# KiCad board proteus.kicad_pcb (continued)
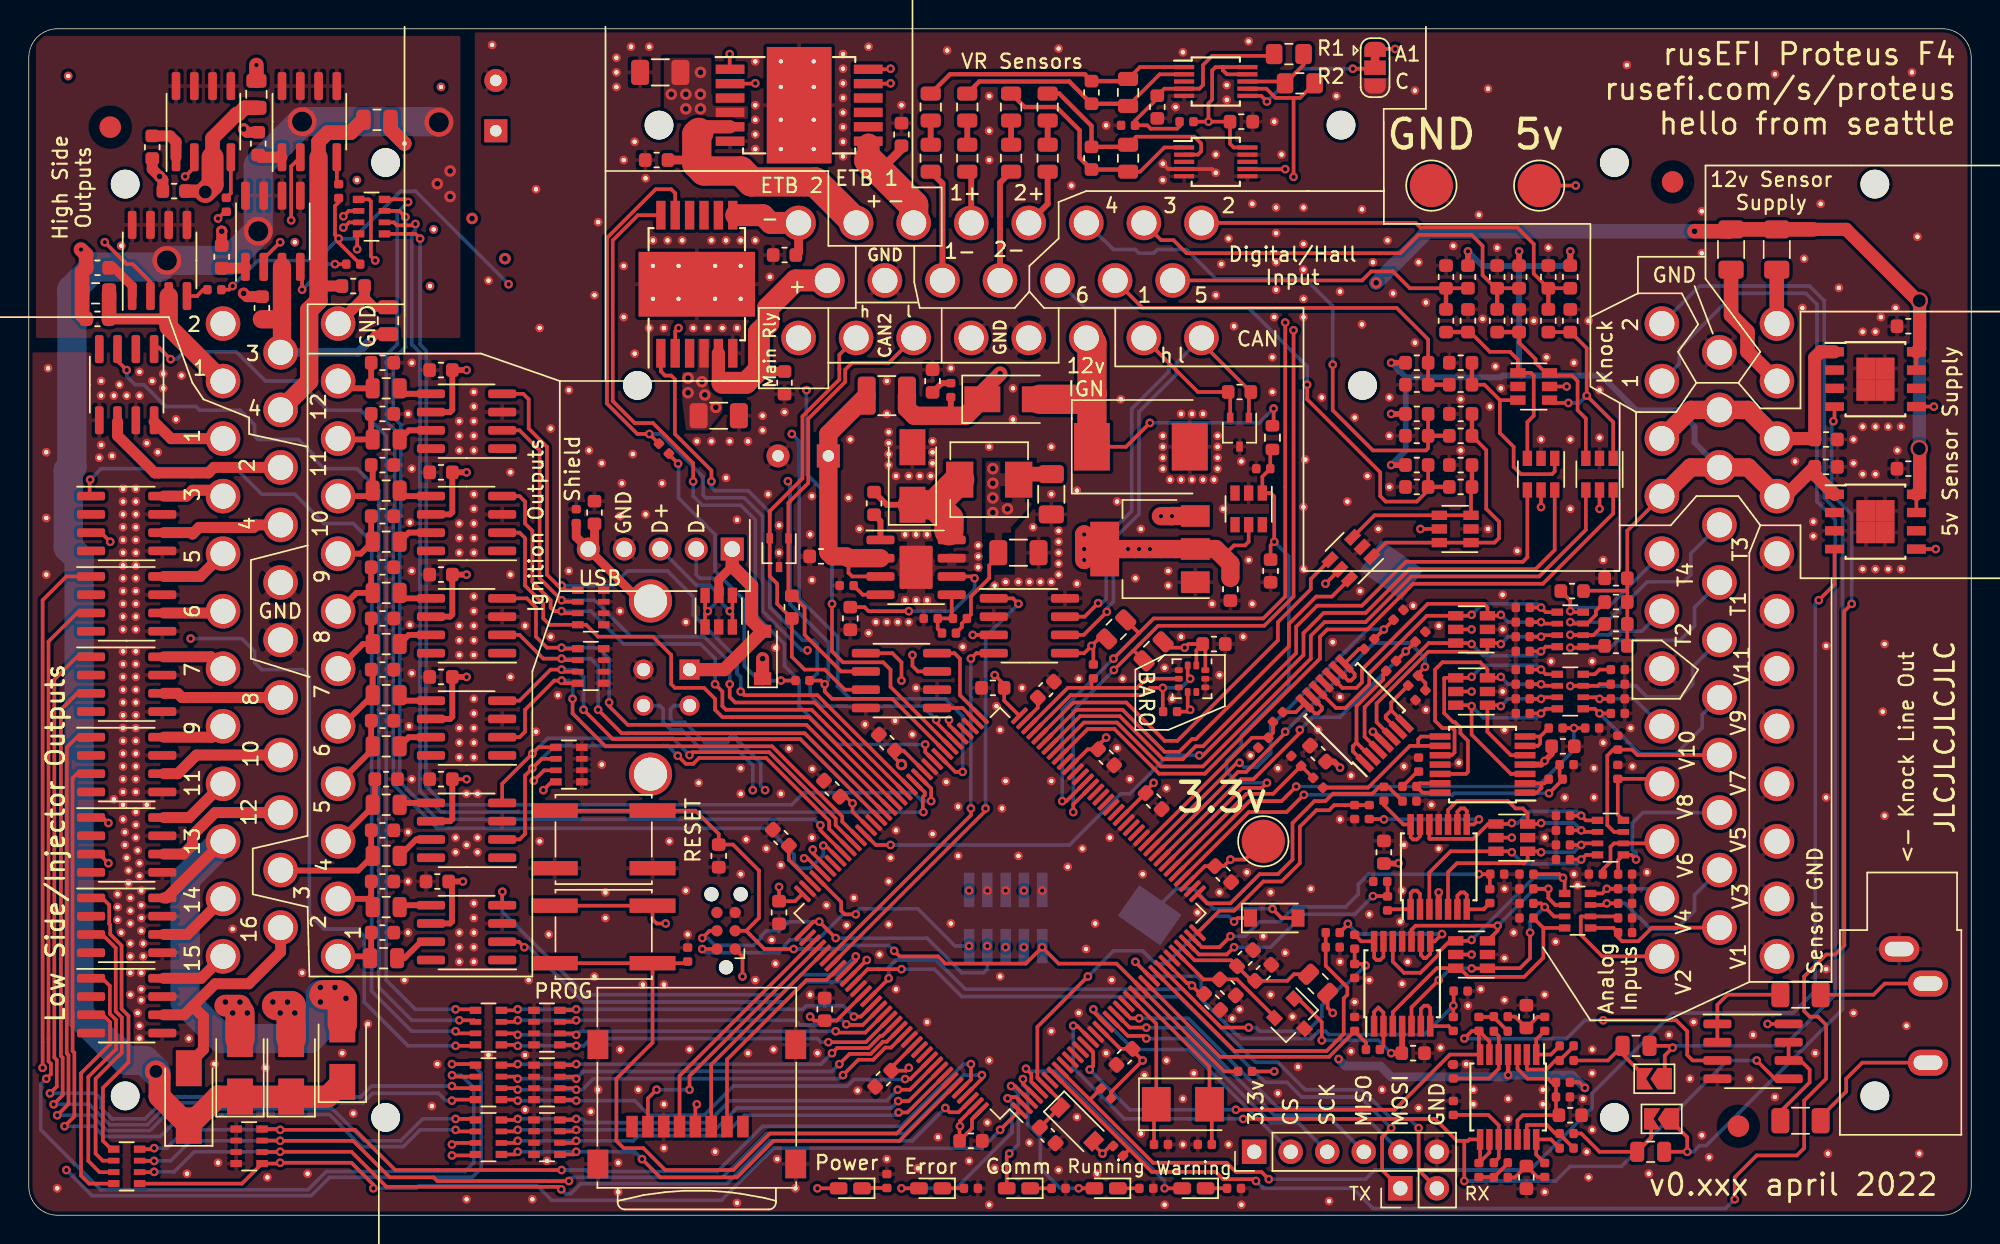
[diagram p0: board, top side]
## Placement (name value [footprint] x y rotation side) (continued)
NOREF#269  -  [unnamed]  80.84 51.15 0 top
NOREF#270  -  [unnamed]  81.61 51.15 0 top
NOREF#271  -  [unnamed]  82.37 51.15 0 top
NOREF#272  -  [unnamed]  80.08 55.72 0 top
NOREF#273  -  [unnamed]  80.84 55.72 0 top
NOREF#274  -  [unnamed]  81.61 55.72 0 top
NOREF#275  -  [unnamed]  82.62 53.43 0 top
NOREF#276  -  [unnamed]  82.62 54.2 0 top
NOREF#277  -  [unnamed]  82.62 52.67 0 top
NOREF#278  -  [unnamed]  82.62 51.91 0 top
NOREF#279  -  [unnamed]  79.19 43.78 0 top
NOREF#280  -  [unnamed]  82.24 42.51 0 top
NOREF#281  -  [unnamed]  76.91 44.29 0 top
NOREF#282  -  [unnamed]  80.08 40.23 0 top
NOREF#283  -  [unnamed]  36.14 19.52 0 top
NOREF#284  -  [unnamed]  61.67 42.77 0 top
NOREF#285  -  [unnamed]  62.43 42.77 0 top
NOREF#286  -  [unnamed]  60.91 47.34 0 top
NOREF#287  -  [unnamed]  61.67 47.34 0 top
NOREF#288  -  [unnamed]  65.99 46.58 0 top
NOREF#289  -  [unnamed]  65.99 45.81 0 top
NOREF#290  -  [unnamed]  65.99 45.05 0 top
NOREF#291  -  [unnamed]  68.78 44.04 0 top
NOREF#292  -  [unnamed]  61.67 36.67 0 top
NOREF#293  -  [unnamed]  58.37 40.48 0 top
NOREF#294  -  [unnamed]  67.26 35.4 0 top
NOREF#295  -  [unnamed]  69.8 47.85 0 top
NOREF#296  -  [unnamed]  71.57 47.59 0 top
NOREF#297  -  [unnamed]  71.57 46.83 0 top
NOREF#298  -  [unnamed]  71.57 46.07 0 top
NOREF#299  -  [unnamed]  71.57 45.31 0 top
NOREF#300  -  [unnamed]  71.57 44.54 0 top
NOREF#301  -  [unnamed]  69.54 44.04 0 top
NOREF#302  -  [unnamed]  70.3 44.04 0 top
NOREF#303  -  [unnamed]  71.07 44.04 0 top
NOREF#304  -  [unnamed]  61.16 41.24 0 top
NOREF#305  -  [unnamed]  60.4 41.24 0 top
NOREF#306  -  [unnamed]  59.64 41.24 0 top
NOREF#307  -  [unnamed]  58.87 41.24 0 top
NOREF#308  -  [unnamed]  7.69 13.18 0 top
NOREF#309  -  [unnamed]  1.22 48.48 0 top
NOREF#310  -  [unnamed]  6.42 67.4 0 top
NOREF#311  -  [unnamed]  2.74 79.22 0 top
NOREF#312  -  [unnamed]  6.55 28.54 0 top
NOREF#313  -  [unnamed]  8.2 28.54 0 top
NOREF#314  -  [unnamed]  83 49.12 0 top
NOREF#315  -  [unnamed]  84.78 45.56 0 top
NOREF#316  -  [unnamed]  75.64 32.48 0 top
NOREF#317  -  [unnamed]  79.07 29.68 0 top
NOREF#318  -  [unnamed]  102.44 36.42 0 top
NOREF#319  -  [unnamed]  102.44 40.73 0 top
NOREF#320  -  [unnamed]  105.36 26.26 0 top
NOREF#321  -  [unnamed]  72.84 43.91 0 top
NOREF#322  -  [unnamed]  59.76 54.45 0 top
NOREF#323  -  [unnamed]  59.76 53.69 0 top
NOREF#324  -  [unnamed]  59.76 52.93 0 top
NOREF#325  -  [unnamed]  59.76 52.16 0 top
NOREF#326  -  [unnamed]  62.68 51.4 0 top
NOREF#327  -  [unnamed]  61.92 51.4 0 top
NOREF#328  -  [unnamed]  61.16 51.4 0 top
NOREF#329  -  [unnamed]  60.27 51.4 0 top
NOREF#330  -  [unnamed]  62.43 47.34 0 top
NOREF#331  -  [unnamed]  57.73 47.72 0 top
NOREF#332  -  [unnamed]  62.81 53.81 0 top
NOREF#333  -  [unnamed]  62.81 53.05 0 top
NOREF#334  -  [unnamed]  62.81 52.29 0 top
NOREF#335  -  [unnamed]  67.89 44.04 0 top
NOREF#336  -  [unnamed]  77.29 47.72 0 top
NOREF#337  -  [unnamed]  80.21 80.87 0 top
NOREF#338  -  [unnamed]  75.89 56.74 0 top
NOREF#339  -  [unnamed]  41.09 48.61 0 top
NOREF#340  -  [unnamed]  71.07 12.79 0 top
NOREF#341  -  [unnamed]  77.42 23.72 0 top
NOREF#342  -  [unnamed]  54.43 50.01 0 top
NOREF#343  -  [unnamed]  27.89 64.61 0 top
NOREF#344  -  [unnamed]  124.53 70.33 0 top
NOREF#345  -  [unnamed]  59.64 55.72 0 top
NOREF#346  -  [unnamed]  59.64 58.01 0 top
NOREF#347  -  [unnamed]  64.08 58.9 0 top
NOREF#348  -  [unnamed]  9.34 58.51 0 top
NOREF#349  -  [unnamed]  8.58 58.01 0 top
NOREF#350  -  [unnamed]  6.3 57.75 0 top
NOREF#351  -  [unnamed]  79.7 77.06 0 top
NOREF#352  -  [unnamed]  74.88 75.79 0 top
NOREF#353  -  [unnamed]  83.26 77.56 0 top
NOREF#354  -  [unnamed]  82.5 72.48 0 top
NOREF#355  -  [unnamed]  75.64 49.62 0 top
NOREF#356  -  [unnamed]  71.07 50.13 0 top
NOREF#357  -  [unnamed]  66.75 53.43 0 top
NOREF#358  -  [unnamed]  18.49 67.66 0 top
NOREF#359  -  [unnamed]  22.81 71.98 0 top
NOREF#360  -  [unnamed]  26.11 74.52 0 top
NOREF#361  -  [unnamed]  45.67 41.24 0 top
NOREF#362  -  [unnamed]  31.95 11.14 0 top
NOREF#363  -  [unnamed]  34.49 11.14 0 top
NOREF#364  -  [unnamed]  34.49 7.33 0 top
NOREF#365  -  [unnamed]  36.01 3.78 0 top
NOREF#366  -  [unnamed]  44.14 7.71 0 top
NOREF#367  -  [unnamed]  57.35 22.06 0 top
NOREF#368  -  [unnamed]  59.13 18.13 0 top
NOREF#369  -  [unnamed]  60.27 15.71 0 top
NOREF#370  -  [unnamed]  49.48 31.08 0 top
NOREF#371  -  [unnamed]  71.07 53.43 0 top
NOREF#372  -  [unnamed]  72.84 50.39 0 top
NOREF#373  -  [unnamed]  108.66 9.87 0 top
NOREF#374  -  [unnamed]  108.66 11.52 0 top
NOREF#375  -  [unnamed]  108.02 8.1 0 top
NOREF#376  -  [unnamed]  108.66 5.94 0 top
NOREF#377  -  [unnamed]  108.28 4.41 0 top
NOREF#378  -  [unnamed]  59.89 24.86 0 top
NOREF#379  -  [unnamed]  68.78 24.99 0 top
NOREF#380  -  [unnamed]  72.97 14.06 0 top
NOREF#381  -  [unnamed]  99.89 10.51 0 top
NOREF#382  -  [unnamed]  96.59 7.46 0 top
NOREF#383  -  [unnamed]  94.05 8.73 0 top
NOREF#384  -  [unnamed]  86.81 8.48 0 top
NOREF#385  -  [unnamed]  80.97 9.87 0 top
NOREF#386  -  [unnamed]  79.07 10.76 0 top
NOREF#387  -  [unnamed]  83.39 4.92 0 top
NOREF#388  -  [unnamed]  90.37 0.98 0 top
NOREF#389  -  [unnamed]  112.59 2.89 0 top
NOREF#390  -  [unnamed]  80.21 8.1 0 top
NOREF#391  -  [unnamed]  54.3 15.33 0 top
NOREF#392  -  [unnamed]  58.11 34.13 0 top
NOREF#393  -  [unnamed]  41.09 11.52 0 top
NOREF#394  -  [unnamed]  45.92 11.52 0 top
NOREF#395  -  [unnamed]  49.98 11.27 0 top
NOREF#396  -  [unnamed]  51.76 11.52 0 top
NOREF#397  -  [unnamed]  54.81 11.27 0 top
NOREF#398  -  [unnamed]  42.68 16.03 0 top
NOREF#399  -  [unnamed]  50.49 16.35 0 top
NOREF#400  -  [unnamed]  44.14 4.67 0 top
NOREF#401  -  [unnamed]  40.97 3.65 0 top
NOREF#402  -  [unnamed]  47.7 4.41 0 top
NOREF#403  -  [unnamed]  52.02 3.9 0 top
NOREF#404  -  [unnamed]  49.22 0.86 0 top
NOREF#405  -  [unnamed]  63.19 5.43 0 top
NOREF#406  -  [unnamed]  59.64 3.9 0 top
NOREF#407  -  [unnamed]  53.29 1.87 0 top
NOREF#408  -  [unnamed]  39.57 8.73 0 top
NOREF#409  -  [unnamed]  42.36 8.73 0 top
NOREF#410  -  [unnamed]  39.06 7.21 0 top
NOREF#411  -  [unnamed]  35 1.11 0 top
NOREF#412  -  [unnamed]  54.43 44.16 0 top
NOREF#413  -  [unnamed]  52.14 47.97 0 top
NOREF#414  -  [unnamed]  54.3 47.34 0 top
NOREF#415  -  [unnamed]  49.22 48.35 0 top
NOREF#416  -  [unnamed]  36.27 54.7 0 top
NOREF#417  -  [unnamed]  63.76 30.13 0 top
NOREF#418  -  [unnamed]  61.41 33.43 0 top
NOREF#419  -  [unnamed]  60.21 34.38 0 top
NOREF#420  -  [unnamed]  119.83 12.54 0 top
NOREF#421  -  [unnamed]  119.58 9.49 0 top
NOREF#422  -  [unnamed]  121.36 8.22 0 top
NOREF#423  -  [unnamed]  78.94 0.73 0 top
NOREF#424  -  [unnamed]  66.75 0.73 0 top
NOREF#425  -  [unnamed]  71.57 3.14 0 top
NOREF#426  -  [unnamed]  51.89 39.46 0 top
NOREF#427  -  [unnamed]  105.8 38.51 0 top
NOREF#428  -  [unnamed]  108.66 38.51 0 top
NOREF#429  -  [unnamed]  115.71 13.43 0 top
NOREF#430  -  [unnamed]  115.45 9.49 0 top
NOREF#431  -  [unnamed]  88.21 10.32 0 top
NOREF#432  -  [unnamed]  84.27 0.73 0 top
NOREF#433  -  [unnamed]  59.76 20.22 0 top
NOREF#434  -  [unnamed]  102.44 43.15 0 top
NOREF#435  -  [unnamed]  64.91 39.53 0 top
NOREF#436  -  [unnamed]  52.14 46.07 0 top
NOREF#437  -  [unnamed]  88.59 49.24 0 top
NOREF#438  -  [unnamed]  103.45 46.2 0 top
NOREF#439  -  [unnamed]  90.62 39.84 0 top
NOREF#440  -  [unnamed]  84.4 40.23 0 top
NOREF#441  -  [unnamed]  56.97 49.88 0 top
NOREF#442  -  [unnamed]  57.1 53.94 0 top
NOREF#443  -  [unnamed]  32.2 81.37 0 top
NOREF#444  -  [unnamed]  84.78 81.63 0 top
NOREF#445  -  [unnamed]  90.88 77.82 0 top
NOREF#446  -  [unnamed]  96.34 78.2 0 top
NOREF#447  -  [unnamed]  124.15 11.27 0 top
NOREF#448  -  [unnamed]  67.13 43.78 0 top
NOREF#449  -  [unnamed]  51.38 50.13 0 top
NOREF#450  -  [unnamed]  77.54 9.75 0 top
NOREF#451  -  [unnamed]  77.29 5.68 0 top
NOREF#452  -  [unnamed]  87.83 13.81 0 top
NOREF#453  -  [unnamed]  76.02 37.3 0 top
NOREF#454  -  [unnamed]  69.03 36.67 0 top
NOREF#455  -  [unnamed]  79.45 35.91 0 top
NOREF#456  -  [unnamed]  82.75 37.56 0 top
NOREF#457  -  [unnamed]  78.94 38.07 0 top
NOREF#458  -  [unnamed]  67.51 16.6 0 top
NOREF#459  -  [unnamed]  64.08 20.29 0 top
NOREF#460  -  [unnamed]  45.67 22.57 0 top
NOREF#461  -  [unnamed]  45.79 19.52 0 top
NOREF#462  -  [unnamed]  35.51 26 0 top
NOREF#463  -  [unnamed]  55.44 21.56 0 top
NOREF#464  -  [unnamed]  56.84 20.16 0 top
NOREF#465  -  [unnamed]  51.64 19.14 0 top
NOREF#466  -  [unnamed]  44.14 16.03 0 top
NOREF#467  -  [unnamed]  34.74 16.35 0 top
NOREF#468  -  [unnamed]  51.89 17.49 0 top
NOREF#469  -  [unnamed]  76.53 30.32 0 top
NOREF#470  -  [unnamed]  91.89 30.57 0 top
NOREF#471  -  [unnamed]  128.34 44.92 0 top
NOREF#472  -  [unnamed]  129.23 44.92 0 top
NOREF#473  -  [unnamed]  130.12 44.92 0 top
NOREF#474  -  [unnamed]  127.45 44.92 0 top
NOREF#475  -  [unnamed]  128.34 51.53 0 top
NOREF#476  -  [unnamed]  127.45 51.53 0 top
NOREF#477  -  [unnamed]  128.34 54.83 0 top
NOREF#478  -  [unnamed]  129.23 54.83 0 top
NOREF#479  -  [unnamed]  130.12 54.83 0 top
NOREF#480  -  [unnamed]  127.45 54.83 0 top
NOREF#481  -  [unnamed]  128.34 61.44 0 top
NOREF#482  -  [unnamed]  127.45 61.44 0 top
NOREF#483  -  [unnamed]  126.82 52.29 0 top
NOREF#484  -  [unnamed]  126.82 53.94 0 top
NOREF#485  -  [unnamed]  129.87 53.18 0 top
NOREF#486  -  [unnamed]  129.74 63.09 0 top
NOREF#487  -  [unnamed]  128.72 62.45 0 top
NOREF#488  -  [unnamed]  124.03 48.23 0 top
NOREF#489  -  [unnamed]  124.03 47.21 0 top
NOREF#490  -  [unnamed]  122.75 52.42 0 top
NOREF#491  -  [unnamed]  52.52 55.85 0 top
NOREF#492  -  [unnamed]  35.51 61.69 0 top
NOREF#493  -  [unnamed]  50.49 74.14 0 top
NOREF#494  -  [unnamed]  50.49 75.15 0 top
NOREF#495  -  [unnamed]  50.49 76.17 0 top
NOREF#496  -  [unnamed]  50.49 77.18 0 top
NOREF#497  -  [unnamed]  50.49 80.23 0 top
NOREF#498  -  [unnamed]  56.59 73.63 0 top
NOREF#499  -  [unnamed]  56.59 74.64 0 top
NOREF#500  -  [unnamed]  56.59 75.66 0 top
NOREF#501  -  [unnamed]  56.59 76.67 0 top
NOREF#502  -  [unnamed]  56.59 77.69 0 top
NOREF#503  -  [unnamed]  56.59 78.71 0 top
NOREF#504  -  [unnamed]  56.59 79.72 0 top
NOREF#505  -  [unnamed]  52.27 80.23 0 top
NOREF#506  -  [unnamed]  54.56 80.23 0 top
NOREF#507  -  [unnamed]  54.56 78.45 0 top
NOREF#508  -  [unnamed]  54.56 76.17 0 top
NOREF#509  -  [unnamed]  54.56 74.14 0 top
NOREF#510  -  [unnamed]  52.27 74.14 0 top
NOREF#511  -  [unnamed]  52.27 76.17 0 top
NOREF#512  -  [unnamed]  52.27 78.45 0 top
NOREF#513  -  [unnamed]  45.16 66.01 0 top
NOREF#514  -  [unnamed]  47.7 66.01 0 top
NOREF#515  -  [unnamed]  49.48 66.01 0 top
NOREF#516  -  [unnamed]  49.48 63.72 0 top
NOREF#517  -  [unnamed]  47.7 63.72 0 top
NOREF#518  -  [unnamed]  45.16 63.72 0 top
NOREF#519  -  [unnamed]  43.38 63.72 0 top
NOREF#520  -  [unnamed]  43.38 66.01 0 top
NOREF#521  -  [unnamed]  47.44 67.78 0 top
NOREF#522  -  [unnamed]  48.46 67.78 0 top
NOREF#523  -  [unnamed]  49.48 67.78 0 top
NOREF#524  -  [unnamed]  50.49 67.78 0 top
NOREF#525  -  [unnamed]  51.51 65.25 0 top
NOREF#526  -  [unnamed]  49.22 61.69 0 top
NOREF#527  -  [unnamed]  48.21 61.69 0 top
NOREF#528  -  [unnamed]  47.19 61.69 0 top
NOREF#529  -  [unnamed]  46.17 61.69 0 top
NOREF#530  -  [unnamed]  44.14 61.69 0 top
NOREF#531  -  [unnamed]  43.13 61.69 0 top
NOREF#532  -  [unnamed]  45.41 67.78 0 top
NOREF#533  -  [unnamed]  44.4 67.78 0 top
NOREF#534  -  [unnamed]  43.38 67.78 0 top
NOREF#535  -  [unnamed]  43.13 81.25 0 top
NOREF#536  -  [unnamed]  41.86 81.25 0 top
NOREF#537  -  [unnamed]  40.84 80.48 0 top
NOREF#538  -  [unnamed]  40.84 79.47 0 top
NOREF#539  -  [unnamed]  40.84 78.45 0 top
NOREF#540  -  [unnamed]  42.11 74.64 0 top
NOREF#541  -  [unnamed]  41.35 73.37 0 top
NOREF#542  -  [unnamed]  42.87 72.1 0 top
NOREF#543  -  [unnamed]  56.59 80.74 0 top
NOREF#544  -  [unnamed]  58.37 81.25 0 top
NOREF#545  -  [unnamed]  41.35 66.01 0 top
NOREF#546  -  [unnamed]  42.11 59.91 0 top
NOREF#547  -  [unnamed]  41.35 62.45 0 top
NOREF#548  -  [unnamed]  48.71 53.81 0 top
NOREF#549  -  [unnamed]  49.98 53.81 0 top
NOREF#550  -  [unnamed]  51 54.58 0 top
NOREF#551  -  [unnamed]  51 55.59 0 top
NOREF#552  -  [unnamed]  47.44 53.81 0 top
NOREF#553  -  [unnamed]  46.43 53.81 0 top
NOREF#554  -  [unnamed]  48.46 51.27 0 top
NOREF#555  -  [unnamed]  39.32 63.98 0 top
NOREF#556  -  [unnamed]  39.57 69.06 0 top
NOREF#557  -  [unnamed]  31.95 64.99 0 top
NOREF#558  -  [unnamed]  28.65 78.45 0 top
NOREF#559  -  [unnamed]  28.14 68.55 0 top
NOREF#560  -  [unnamed]  35.25 71.34 0 top
NOREF#561  -  [unnamed]  92.15 14.83 0 top
NOREF#562  -  [unnamed]  91.13 17.62 0 top
NOREF#563  -  [unnamed]  86.31 22.45 0 top
NOREF#564  -  [unnamed]  89.1 22.7 0 top
NOREF#565  -  [unnamed]  93.16 20.92 0 top
NOREF#566  -  [unnamed]  93.16 16.35 0 top
NOREF#567  -  [unnamed]  86.31 15.33 0 top
NOREF#568  -  [unnamed]  26.36 55.72 0 top
NOREF#569  -  [unnamed]  30.93 53.18 0 top
NOREF#570  -  [unnamed]  29.92 53.18 0 top
NOREF#571  -  [unnamed]  29.92 54.2 0 top
NOREF#572  -  [unnamed]  30.93 54.2 0 top
NOREF#573  -  [unnamed]  30.93 55.21 0 top
NOREF#574  -  [unnamed]  29.92 55.21 0 top
NOREF#575  -  [unnamed]  30.93 56.23 0 top
NOREF#576  -  [unnamed]  30.93 57.24 0 top
NOREF#577  -  [unnamed]  26.62 51.91 0 top
NOREF#578  -  [unnamed]  26.49 48.16 0 top
NOREF#579  -  [unnamed]  29.92 48.1 0 top
NOREF#580  -  [unnamed]  30.93 48.1 0 top
NOREF#581  -  [unnamed]  30.93 49.12 0 top
NOREF#582  -  [unnamed]  30.93 50.13 0 top
NOREF#583  -  [unnamed]  29.92 47.08 0 top
NOREF#584  -  [unnamed]  30.93 47.08 0 top
NOREF#585  -  [unnamed]  30.93 46.07 0 top
NOREF#586  -  [unnamed]  29.92 46.07 0 top
NOREF#587  -  [unnamed]  26.62 44.8 0 top
NOREF#588  -  [unnamed]  26.49 41.05 0 top
NOREF#589  -  [unnamed]  29.92 40.99 0 top
NOREF#590  -  [unnamed]  30.93 40.99 0 top
NOREF#591  -  [unnamed]  30.93 42 0 top
NOREF#592  -  [unnamed]  30.93 43.02 0 top
NOREF#593  -  [unnamed]  29.92 39.97 0 top
NOREF#594  -  [unnamed]  30.93 39.97 0 top
NOREF#595  -  [unnamed]  30.93 38.96 0 top
NOREF#596  -  [unnamed]  29.92 38.96 0 top
NOREF#597  -  [unnamed]  26.62 37.69 0 top
NOREF#598  -  [unnamed]  26.43 34 0 top
NOREF#599  -  [unnamed]  29.92 33.88 0 top
NOREF#600  -  [unnamed]  30.93 33.88 0 top
NOREF#601  -  [unnamed]  30.93 34.89 0 top
NOREF#602  -  [unnamed]  30.93 35.91 0 top
NOREF#603  -  [unnamed]  30.93 32.86 0 top
NOREF#604  -  [unnamed]  30.93 31.84 0 top
NOREF#605  -  [unnamed]  29.92 31.84 0 top
NOREF#606  -  [unnamed]  29.92 32.86 0 top
NOREF#607  -  [unnamed]  26.62 30.32 0 top
NOREF#608  -  [unnamed]  30.43 29.3 0 top
NOREF#609  -  [unnamed]  31.19 29.3 0 top
NOREF#610  -  [unnamed]  29.66 26.26 0 top
NOREF#611  -  [unnamed]  31.19 26.26 0 top
NOREF#612  -  [unnamed]  31.19 25.24 0 top
NOREF#613  -  [unnamed]  29.66 25.24 0 top
NOREF#614  -  [unnamed]  30.43 25.75 0 top
NOREF#615  -  [unnamed]  26.36 26.64 0 top
NOREF#616  -  [unnamed]  26.36 23.21 0 top
NOREF#617  -  [unnamed]  26.36 19.65 0 top
NOREF#618  -  [unnamed]  29.92 19.65 0 top
NOREF#619  -  [unnamed]  30.93 19.65 0 top
NOREF#620  -  [unnamed]  30.93 20.67 0 top
NOREF#621  -  [unnamed]  30.93 21.68 0 top
NOREF#622  -  [unnamed]  30.93 18.64 0 top
NOREF#623  -  [unnamed]  30.93 17.62 0 top
NOREF#624  -  [unnamed]  29.92 17.62 0 top
NOREF#625  -  [unnamed]  29.92 18.64 0 top
NOREF#626  -  [unnamed]  33.47 44.54 0 top
NOREF#627  -  [unnamed]  33.47 37.43 0 top
NOREF#628  -  [unnamed]  33.47 51.66 0 top
NOREF#629  -  [unnamed]  7.69 12.29 0 top
NOREF#630  -  [unnamed]  11.12 12.29 0 top
NOREF#631  -  [unnamed]  34.49 40.99 0 top
NOREF#632  -  [unnamed]  36.27 40.23 0 top
NOREF#633  -  [unnamed]  52.83 32.45 0 top
NOREF#634  -  [unnamed]  12.9 10.51 0 top
NOREF#635  -  [unnamed]  16.46 10.25 0 top
NOREF#636  -  [unnamed]  21.79 11.27 0 top
NOREF#637  -  [unnamed]  19 16.86 0 top
NOREF#638  -  [unnamed]  14.17 19.91 0 top
NOREF#639  -  [unnamed]  36.78 36.16 0 top
NOREF#640  -  [unnamed]  35.25 33.62 0 top
NOREF#641  -  [unnamed]  37.54 33.88 0 top
NOREF#642  -  [unnamed]  39.82 31.34 0 top
NOREF#643  -  [unnamed]  37.54 44.8 0 top
NOREF#644  -  [unnamed]  41.09 42 0 top
NOREF#645  -  [unnamed]  40.08 22.45 0 top
NOREF#646  -  [unnamed]  39.32 16.6 0 top
NOREF#647  -  [unnamed]  26.11 16.35 0 top
NOREF#648  -  [unnamed]  23.57 13.3 0 top
NOREF#649  -  [unnamed]  13.15 3.65 0 top
NOREF#650  -  [unnamed]  11 2.89 0 top
NOREF#651  -  [unnamed]  19.38 2.89 0 top
NOREF#652  -  [unnamed]  16.58 2.63 0 top
NOREF#653  -  [unnamed]  22.55 7.08 0 top
NOREF#654  -  [unnamed]  28.01 7.59 0 top
NOREF#655  -  [unnamed]  28.39 10.51 0 top
NOREF#656  -  [unnamed]  67.13 3.27 0 top
NOREF#657  -  [unnamed]  94.56 50.64 0 top
NOREF#658  -  [unnamed]  94.56 54.2 0 top
NOREF#659  -  [unnamed]  94.56 56.86 0 top
NOREF#660  -  [unnamed]  92.15 55.47 0 top
NOREF#661  -  [unnamed]  89.86 56.86 0 top
NOREF#662  -  [unnamed]  93.04 51.4 0 top
NOREF#663  -  [unnamed]  93.42 66.26 0 top
NOREF#664  -  [unnamed]  96.59 66.26 0 top
NOREF#665  -  [unnamed]  94.81 64.1 0 top
NOREF#666  -  [unnamed]  91.13 64.23 0 top
NOREF#667  -  [unnamed]  101.04 62.32 0 top
NOREF#668  -  [unnamed]  104.59 62.2 0 top
NOREF#669  -  [unnamed]  99.51 56.74 0 top
NOREF#670  -  [unnamed]  99.51 53.18 0 top
NOREF#671  -  [unnamed]  102.05 67.28 0 top
NOREF#672  -  [unnamed]  105.61 67.28 0 top
NOREF#673  -  [unnamed]  108.4 62.2 0 top
NOREF#674  -  [unnamed]  105.1 53.94 0 top
NOREF#675  -  [unnamed]  109.17 54.07 0 top
NOREF#676  -  [unnamed]  107.13 53.94 0 top
NOREF#677  -  [unnamed]  107.13 49.12 0 top
NOREF#678  -  [unnamed]  109.17 57.37 0 top
NOREF#679  -  [unnamed]  102.31 57.5 0 top
NOREF#680  -  [unnamed]  101.93 59.02 0 top
NOREF#681  -  [unnamed]  105.48 59.66 0 top
NOREF#682  -  [unnamed]  107.39 59.28 0 top
NOREF#683  -  [unnamed]  101.55 56.23 0 top
NOREF#684  -  [unnamed]  88.59 44.92 0 top
NOREF#685  -  [unnamed]  91.64 49.62 0 top
NOREF#686  -  [unnamed]  101.42 47.72 0 top
NOREF#687  -  [unnamed]  96.34 60.67 0 top
NOREF#688  -  [unnamed]  100.78 69.56 0 top
NOREF#689  -  [unnamed]  94.43 67.78 0 top
NOREF#690  -  [unnamed]  92.53 43.4 0 top
NOREF#691  -  [unnamed]  93.8 47.72 0 top
NOREF#692  -  [unnamed]  97.1 63.47 0 top
NOREF#693  -  [unnamed]  99.01 67.4 0 top
NOREF#694  -  [unnamed]  102.56 22.7 0 top
R1  5.6k  [R_0402_1005Metric]  93.42 11.52 0 top
R2  5.6k  [R_0402_1005Metric]  99.01 13.3 270 top
R3  5.6k  [R_0402_1005Metric]  90.62 19.65 0 top
R4  5.6k  [R_0402_1005Metric]  92.15 19.02 90 top
R5  10k  [R_0402_1005Metric]  92.15 13.3 270 top
R6  10k  [R_0402_1005Metric]  99.51 15.59 180 top
R7  10k  [R_0402_1005Metric]  90.62 18.64 180 top
R8  10k  [R_0402_1005Metric]  92.15 16.98 90 top
R9  5.6k  [R_0402_1005Metric]  94.43 21.68 270 top
R10  5.6k  [R_0402_1005Metric]  101.55 22.19 270 top
R11  5.6k  [R_0402_1005Metric]  93.16 28.03 270 top
R12  5.6k  [R_0402_1005Metric]  94.18 29.3 270 top
R13  10k  [R_0402_1005Metric]  93.93 23.21 0 top
R14  10k  [R_0402_1005Metric]  102.05 23.72 180 top
R15  10k  [R_0402_1005Metric]  92.15 28.03 90 top
R16  10k  [R_0402_1005Metric]  95.96 28.8 180 top
R17  5.6k  [R_0402_1005Metric]  106.12 30.32 180 top
R18  5.6k  [R_0402_1005Metric]  106.12 33.88 180 top
R19  5.6k  [R_0402_1005Metric]  89.61 30.07 315 top
R20  5.6k  [R_0402_1005Metric]  95.96 29.81 0 top
R21  10k  [R_0402_1005Metric]  106.88 31.34 180 top
R22  10k  [R_0402_1005Metric]  108.66 33.88 180 top
R23  10k  [R_0402_1005Metric]  88.08 31.59 315 top
R24  10k  [R_0402_1005Metric]  96.59 31.34 270 top
R25  5.6k  [R_0402_1005Metric]  94.69 38.19 225 top
R26  5.6k  [R_0402_1005Metric]  96.21 37.18 225 top
R27  5.6k  [R_0402_1005Metric]  93.16 39.72 225 top
R28  5.6k  [R_0402_1005Metric]  86.81 34.64 45 top
R29  10k  [R_0402_1005Metric]  96.72 40.23 225 top
R30  10k  [R_0402_1005Metric]  96.72 36.16 45 top
R31  10k  [R_0402_1005Metric]  95.2 41.75 225 top
R32  10k  [R_0402_1005Metric]  85.8 32.86 45 top
R33  120  [R_0603_1608Metric]  53.03 42.28 90 top
R34  4.7k  [R_0805_2012Metric]  4.64 64.1 180 top
R35  4.7k  [R_0805_2012Metric]  15.82 77.94 90 top
R36  4.7k  [R_0805_2012Metric]  24.97 62.2 90 top
R37  4.7k  [R_0805_2012Metric]  24.2 76.17 0 top
R38  33k  [R_0402_1005Metric]  106.63 8.22 0 top
R39  1k  [R_0402_1005Metric]  73.99 37.81 270 top
R40  33k  [R_0402_1005Metric]  106.63 9.24 0 top
R41  1k  [R_0402_1005Metric]  79.32 35.02 180 top
R42  12k  [R_0402_1005Metric]  105.36 13.3 270 top
R43  12k  [R_0402_1005Metric]  105.36 3.14 90 top
R44  100k  [R_0402_1005Metric]  102.31 13.81 0 top
R45  100k  [R_0402_1005Metric]  102.31 2.63 0 top
R46  33k  [R_0402_1005Metric]  102.31 12.79 0 top
R47  33k  [R_0402_1005Metric]  102.31 3.65 0 top
R48  10k  [R_0402_1005Metric]  44.14 53.31 315 top
R701  470k  [R_0402_1005Metric]  110.94 19.65 0 top
R702  470k  [R_0402_1005Metric]  110.94 20.67 0 top
R703  470k  [R_0402_1005Metric]  110.94 21.68 0 top
R704  470k  [R_0402_1005Metric]  110.94 22.7 0 top
R801  470k  [R_0402_1005Metric]  110.94 23.72 0 top
R802  470k  [R_0402_1005Metric]  108.91 23.72 180 top
R803  470k  [R_0402_1005Metric]  110.44 32.86 90 top
R804  470k  [R_0402_1005Metric]  110.44 30.83 90 top
R901  470k  [R_0402_1005Metric]  110.44 34.89 0 top
R902  470k  [R_0402_1005Metric]  110.44 35.91 0 top
R903  470k  [R_0402_1005Metric]  110.44 36.92 0 top
R904  470k  [R_0402_1005Metric]  110.44 37.94 0 top
R905  10k  [R_0402_1005Metric]  56.84 43.78 180 top
R906  1  [R_0402_1005Metric]  64.08 57.37 90 top
R907  12k  [R_0402_1005Metric]  62.68 41.5 180 top
R908  68k  [R_0402_1005Metric]  64.72 41.5 0 top
R1001  10k  [R_0402_1005Metric]  53.77 37.18 180 top
R1004  120  [R_0603_1608Metric]  84.15 57.24 0 top
R1006  10k  [R_0402_1005Metric]  74.88 8.48 315 top
R1007  10k  [R_0402_1005Metric]  75.7 4.48 135 top
R1101  2.7k  [R_0603_1608Metric]  110.31 39.59 180 top
R1102  2.7k  [R_0603_1608Metric]  110.31 41.11 180 top
R1103  2.7k  [R_0603_1608Metric]  110.31 42.64 180 top
R1104  2.7k  [R_0603_1608Metric]  107.26 43.4 180 top
R1105  10k  [R_0402_1005Metric]  12.9 64.36 0 top
R1106  120  [R_0603_1608Metric]  4.77 65.88 180 top
R1107  10k  [R_0402_1005Metric]  13.73 70.26 270 top
R1108  120  [R_0603_1608Metric]  8.58 74.26 270 top
R1109  10k  [R_0402_1005Metric]  22.55 66.13 0 top
R1110  120  [R_0603_1608Metric]  13.41 66.64 90 top
R1111  10k  [R_0402_1005Metric]  21.54 71.21 270 top
R1112  120  [R_0603_1608Metric]  15.95 74.52 90 top
R1201  2.7k  [R_0603_1608Metric]  100.02 65.25 270 top
R1202  2.7k  [R_0603_1608Metric]  98.5 62.2 90 top
R1203  2.7k  [R_0603_1608Metric]  96.47 52.16 0 top
R1204  2.7k  [R_0603_1608Metric]  99.51 50.64 180 top
R1205  4.7k  [R_0805_2012Metric]  65.22 73.5 270 top
R1206  4.7k  [R_0805_2012Metric]  65.22 77.06 270 top
R1207  DNP  [R_0805_2012Metric]  76.4 78.07 270 top
R1208  4.7k  [R_0805_2012Metric]  62.68 73.5 270 top
R1209  4.7k  [R_0805_2012Metric]  62.68 77.06 270 top
R1210  4.7k  [R_0805_2012Metric]  70.81 73.5 270 top
R1211  4.7k  [R_0805_2012Metric]  70.81 77.06 270 top
R1212  DNP  [R_0805_2012Metric]  76.4 73.5 90 top
R1213  4.7k  [R_0805_2012Metric]  68.27 73.5 270 top
R1214  4.7k  [R_0805_2012Metric]  68.27 77.06 270 top
R1215  4.7k  [R_0805_2012Metric]  78.18 39.21 225 top
R1216  4.7k  [R_0805_2012Metric]  75.57 40.73 45 top
R1217  1k  [R_0402_1005Metric]  80.46 76.04 180 top
R1218  1k  [R_0402_1005Metric]  76.4 75.79 0 top
R1219  DNP  [R_0805_2012Metric_Pad1.15x1.40mm_HandSolder]  87.58 80.74 180 top
R1220  DNP  [R_0805_2012Metric_Pad1.15x1.40mm_HandSolder]  88.34 78.71 180 top
R1401  2.7k  [R_0603_1608Metric]  96.47 59.28 0 top
R1402  2.7k  [R_0603_1608Metric]  99.51 57.75 180 top
R1403  2.7k  [R_0603_1608Metric]  107.13 65.25 270 top
R1404  2.7k  [R_0603_1608Metric]  105.61 62.2 90 top
R1405  2.7k  [R_0603_1608Metric]  103.58 65.25 270 top
R1406  2.7k  [R_0603_1608Metric]  102.05 62.2 90 top
R1407  2.7k  [R_0603_1608Metric]  96.47 55.72 0 top
R1408  2.7k  [R_0603_1608Metric]  99.51 54.2 180 top
R1501  100k  [R_0402_1005Metric]  38.05 48.61 90 top
R1502  10k  [R_0402_1005Metric]  84.53 10 0 top
R1503  82k  [R_0603_1608Metric#2]  86.43 54.07 270 top
R1504  10k  [R_0402_1005Metric]  85.8 51.91 180 top
R1508  330  [R_0402_1005Metric]  59.64 2.38 270 top
R1509  330  [R_0402_1005Metric]  65.48 1.87 180 top
R1510  330  [R_0402_1005Metric]  71.57 1.87 180 top
R1511  330  [R_0402_1005Metric]  77.67 1.87 180 top
R1512  330  [R_0402_1005Metric]  83.77 1.87 180 top
R1513  10k  [R_0402_1005Metric]  45.79 18.13 90 top
R1601  100  [R_0805_2012Metric]  24.66 17.87 0 top
R1602  100  [R_0805_2012Metric]  24.84 21.43 0 top
R1603  100  [R_0805_2012Metric]  24.84 24.99 0 top
R1604  100  [R_0805_2012Metric]  24.84 28.54 0 top
R1701  100  [R_0805_2012Metric]  24.84 32.61 0 top
R1702  100  [R_0805_2012Metric]  24.84 36.16 0 top
R1703  100  [R_0805_2012Metric]  24.84 39.72 0 top
R1704  100  [R_0805_2012Metric]  24.84 43.27 0 top
R1801  100  [R_0805_2012Metric]  24.84 46.83 0 top
R1802  100  [R_0805_2012Metric]  24.84 50.39 0 top
R1803  100  [R_0805_2012Metric]  24.84 53.94 0 top
R1804  100  [R_0805_2012Metric]  24.84 57.5 0 top
R1901  100k  [R_0402_1005Metric]  106.88 10.76 0 top
R1902  100k  [R_0402_1005Metric]  106.88 5.68 0 top
R1903  470k  [R_0402_1005Metric]  106.88 11.78 0 top
R1904  470k  [R_0402_1005Metric]  106.88 4.67 0 top
REF**  -  [Fiducial_1.5mm_Mask3mm]  118.82 6.19 0 top
REF**#2  -  [Fiducial_1.5mm_Mask3mm]  5.66 75.66 0 top
REF**#3  -  [Fiducial_1.5mm_Mask3mm]  114.25 71.85 0 top
RN201  1k  [R_Array_Convex_4x0603]  31.95 13.05 180 top
RN202  1k  [R_Array_Convex_4x0603]  36.01 13.05 0 top
RN301  1k  [R_Array_Convex_4x0603]  31.95 9.24 180 top
RN302  1k  [R_Array_Convex_4x0603]  36.01 9.24 0 top
RN401  1k  [R_Array_Convex_4x0603]  31.95 5.43 180 top
RN402  1k  [R_Array_Convex_4x0603]  36.01 5.43 0 top
RN501  1k  [R_Array_Convex_4x0603]  6.8 3.4 180 top
RN502  1k  [R_Array_Convex_4x0603]  15.31 4.79 0 top
RN701  10k  [R_Array_Convex_4x0603]  107.64 21.18 180 top
RN801  10k  [R_Array_Convex_4x0603]  109.93 26.26 180 top
RN901  10k  [R_Array_Convex_4x0603]  107.13 36.42 180 top
RN1101  10k  [R_Array_Convex_4x0603]  107.13 40.73 180 top
RN1301  10k  [R_Array_Convex_4x0603]  23.82 69.44 180 top
RN1601  1k  [R_Array_Convex_4x0603]  37.54 31.34 180 top
RN1701  1k  [R_Array_Convex_4x0603]  39.06 38.19 180 top
RN1801  1k  [R_Array_Convex_4x0603]  39.06 42.26 180 top
SW1501  SW_Push  [SW_SPST_EVQQ2]  39.95 26.13 0 top
SW1502  SW_Push  [SW_SPST_EVQQ2]  39.95 19.52 180 top
U1  SRV05-4  [SOT-23-6]  100.28 18.13 180 top
U2  SRV05-4  [SOT-23-6]  103.07 26.26 180 top
U3  SRV05-4  [SOT-23-6]  100.28 36.42 180 top
U4  SRV05-4  [SOT-23-6]  100.28 40.73 180 top
U5  MCP6004  [TSSOP-14_4.4x5mm_P0.65mm]  102.82 8.22 270 top
U6  TJA1051T-3  [SOIC-8_3.9x4.9mm_P1.27mm]  60.65 37.18 180 top
U7  MCP6002-xSN  [SOIC-8_3.9x4.9mm_P1.27mm]  119.83 11.4 0 top
U8  REF3333  [SOT-23]  87.96 13.68 315 top
U9  LPS25HB  [ST_HLGA-10_2.5x2.5mm_P0.6mm_LayoutBorder3x2y]  80.84 37.3 270 top
U10  TLE9201SG  [Infineon_PG-DSO-12-9]  53.54 77.18 0 top
U11  TLE9201SG  [Infineon_PG-DSO-12-9]  46.43 64.74 90 top
U201  VNLD5160  [SOIC-8_3.9x4.9mm_P1.27mm]  6.8 57.75 270 top
U202  VNLD5160  [SOIC-8_3.9x4.9mm_P1.27mm]  6.8 48.1 0 top
U301  VNLD5160  [SOIC-8_3.9x4.9mm_P1.27mm]  6.8 42.51 0 top
U302  VNLD5160  [SOIC-8_3.9x4.9mm_P1.27mm]  6.8 36.92 0 top
U401  VNLD5160  [SOIC-8_3.9x4.9mm_P1.27mm]  6.8 31.34 0 top
U402  VNLD5160  [SOIC-8_3.9x4.9mm_P1.27mm]  6.8 25.75 0 top
U501  VNLD5160  [SOIC-8_3.9x4.9mm_P1.27mm]  6.8 20.16 0 top
U502  VNLD5160  [SOIC-8_3.9x4.9mm_P1.27mm]  6.8 14.57 0 top
U701  MCP6004  [TSSOP-14_4.4x5mm_P0.65mm]  95.45 16.1 90 top
U801  MCP6004  [TSSOP-14_4.4x5mm_P0.65mm]  97.99 24.22 90 top
U901  MCP6004  [TSSOP-14_4.4x5mm_P0.65mm]  101.04 31.34 180 top
U902  AMS1117-3.3  [SOT-223-3_TabPin2]  77.92 46.32 180 top
U903  LMR14020  [SOIC-8-1EP_3.9x4.9mm_P1.27mm_EP2.29x3mm]  61.67 45.05 0 top
U904  TJA1051T-3  [SOIC-8_3.9x4.9mm_P1.27mm]  69.54 40.99 0 top
U1004  TLS115  [Infineon_PG-DSO-8-43]  128.34 48.23 0 top
U1005  TLS115  [Infineon_PG-DSO-8-43]  128.34 58.13 0 top
U1101  MCP6004  [TSSOP-14_4.4x5mm_P0.65mm#2]  92.15 34.89 135 top
U1102  BTS4175SGA  [SOIC-8_3.9x4.9mm_P1.27mm]  9.09 66.39 90 top
U1103  BTS4175SGA  [SOIC-8_3.9x4.9mm_P1.27mm]  12.14 76.04 90 top
U1104  BTS4175SGA  [SOIC-8_3.9x4.9mm_P1.27mm]  16.96 68.42 90 top
U1105  BTS4175SGA  [SOIC-8_3.9x4.9mm_P1.27mm]  19.5 76.04 90 top
U1106  SRV05-4  [SOT-23-6]  104.59 57.62 0 top
U1107  SRV05-4  [SOT-23-6]  99.13 47.72 180 top
U1202  SN74LVC2G17DB  [SOT-23-6]  105.1 51.53 270 top
U1203  MAX9924  [MSOP-10_3x3mm_P0.5mm]  82.5 78.83 0 top
U1204  MAX9924  [MSOP-10_3x3mm_P0.5mm]  82.5 73.25 0 top
U1207  SN74LVC2G17DB  [SOT-23-6]  109.17 51.53 270 top
U1208  SN74LVC2G17DB  [SOT-23-6]  91.89 45.69 225 top
U1501  STM32F427ZGTx  [LQFP-144_20x20mm_P0.5mm]  67.5 21 135 top
U1502  USBLC6-2SC6  [SOT-23-6]  47.95 42 90 top
U1602  MIC4427  [SOIC-8_3.9x4.9mm_P1.27mm]  30.43 19.65 180 top
U1603  MIC4427  [SOIC-8_3.9x4.9mm_P1.27mm]  30.43 26.76 180 top
U1701  MIC4427  [SOIC-8_3.9x4.9mm_P1.27mm]  30.43 33.88 180 top
U1702  MIC4427  [SOIC-8_3.9x4.9mm_P1.27mm]  30.43 40.99 180 top
U1801  MIC4427  [SOIC-8_3.9x4.9mm_P1.27mm]  30.43 48.1 180 top
U1802  MIC4427  [SOIC-8_3.9x4.9mm_P1.27mm]  30.43 55.21 180 top
Y1501  8MHz  [Crystal_SMD_5032-2Pin_5.0x3.2mm]  80.21 7.71 0 top

## Footprints (pads in the part's own frame, mm; a bottom-side part is the same pattern mirrored in y, then rotated)
ampseal-23
  round 2 hole 2 unplated: (-25.2,-7.3) (-23.7,10.8) (23.7,10.8) (25.2,-7.3)
  round 2.4 hole 1.75: 1(-14,4) 2(-10,4) 3(-6,4) 4(-2,4) 5(2,4) 6(6,4) 7(10,4) 8(14,4) 9(-12,0) 10(-8,0) 11(-4,0) 12(0,0) 13(4,0) 14(8,0) 15(12,0) 16(-14,-4) 17(-10,-4) 18(-6,-4) 19(-2,-4) 20(2,-4) 21(6,-4) 22(10,-4) 23(14,-4)
ampseal-35
  round 2 hole 2 unplated: (-33.2,-7.3) (-31.7,10.8) (31.7,10.8) (33.2,-7.3)
  round 2.4 hole 1.75: 1(-22,4) 2(-18,4) 3(-14,4) 4(-10,4) 5(-6,4) 6(-2,4) 7(2,4) 8(6,4) 9(10,4) 10(14,4) 11(18,4) 12(22,4) 13(-20,0) 14(-16,0) 15(-12,0) 16(-8,0) 17(-4,0) 18(0,0) 19(4,0) 20(8,0) 21(12,0) 22(16,0) 23(20,0) 24(-22,-4) 25(-18,-4) 26(-14,-4) 27(-10,-4) 28(-6,-4) 29(-2,-4) 30(2,-4) 31(6,-4) 32(10,-4) 33(14,-4) 34(18,-4) 35(22,-4)
